# Altium PCB main_board.PcbDoc (part 1 of 2)
Units mil, origin at the board's own origin, x right, y up, seen from the top; angles counter-clockwise.
Board outline 8661.42 x 3543.31 mil, 2 copper layers (Top Layer, Bottom Layer); 75 components, 95 nets, 468 pads, 37 vias.
Unrouted connection lines stored in the file: 89.
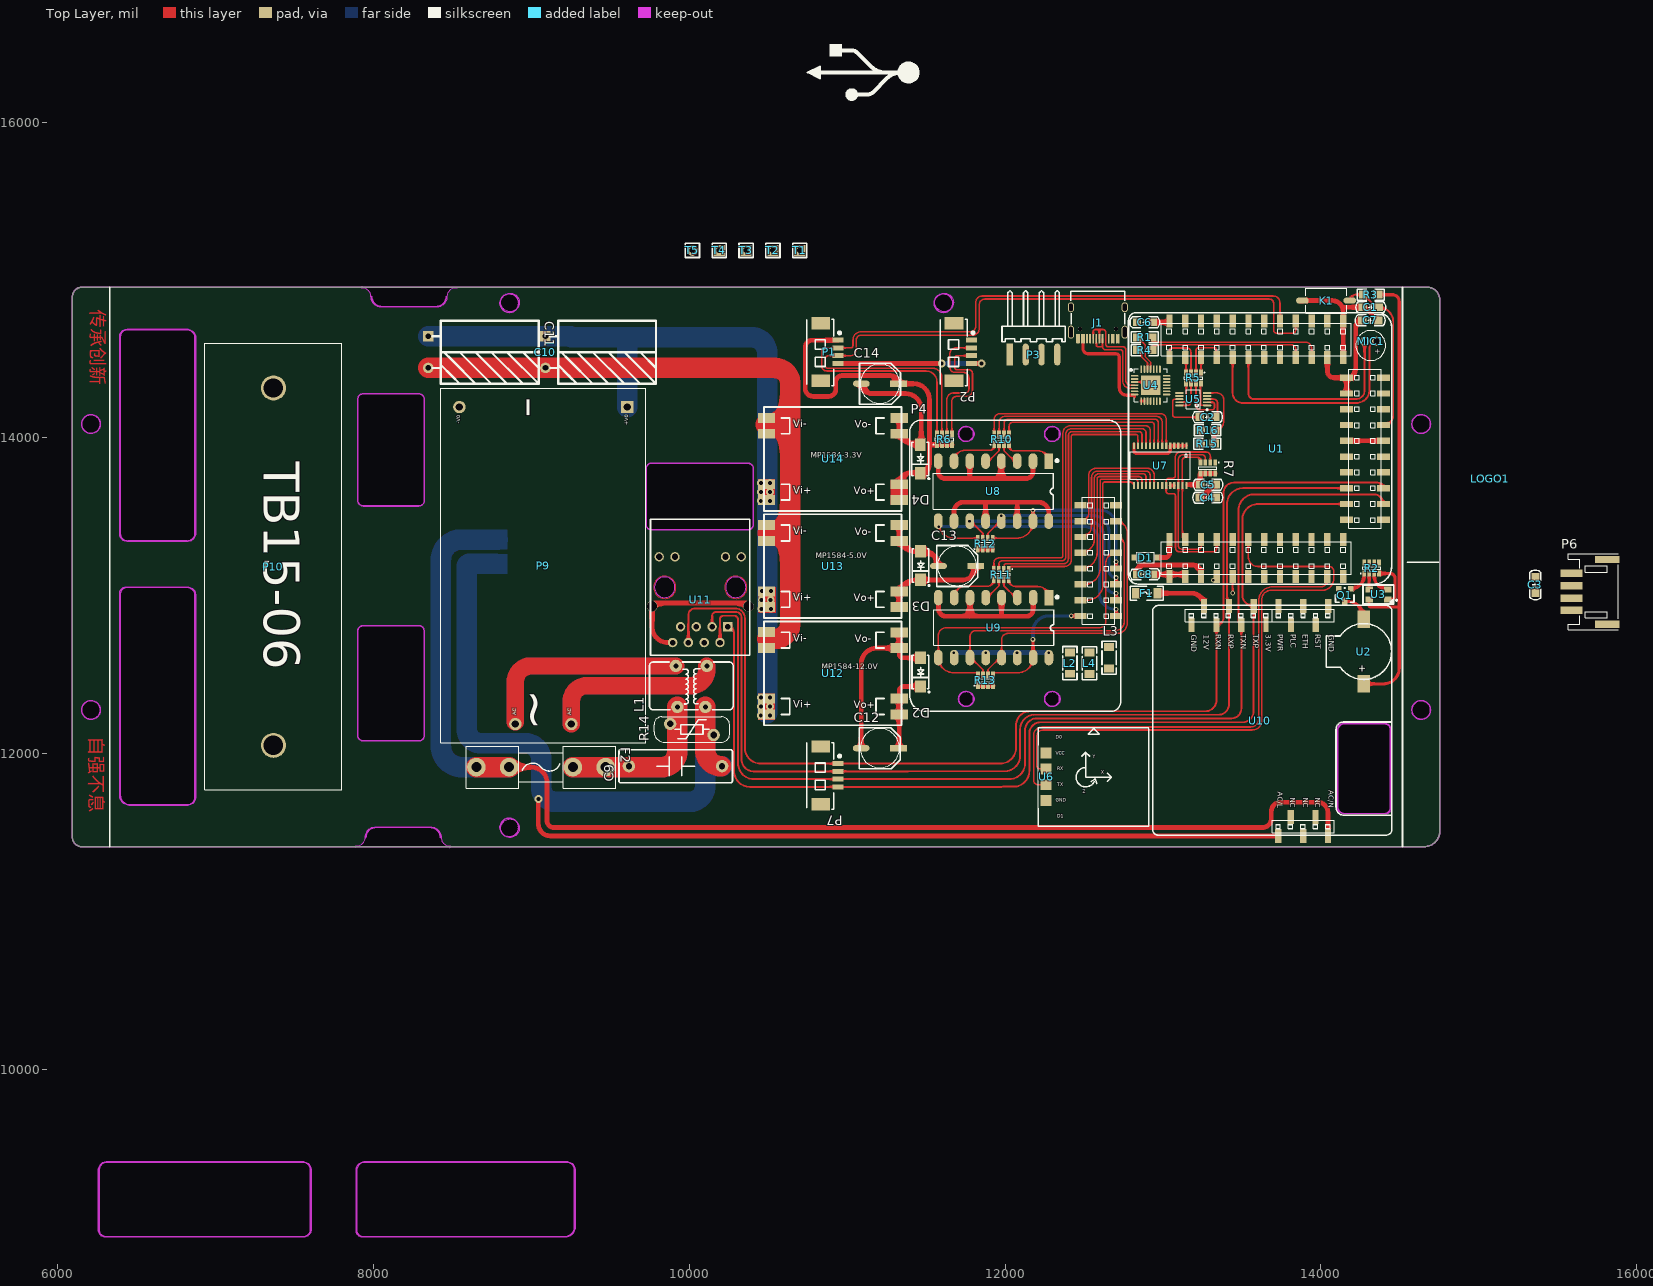
[diagram p0: Top Layer view]
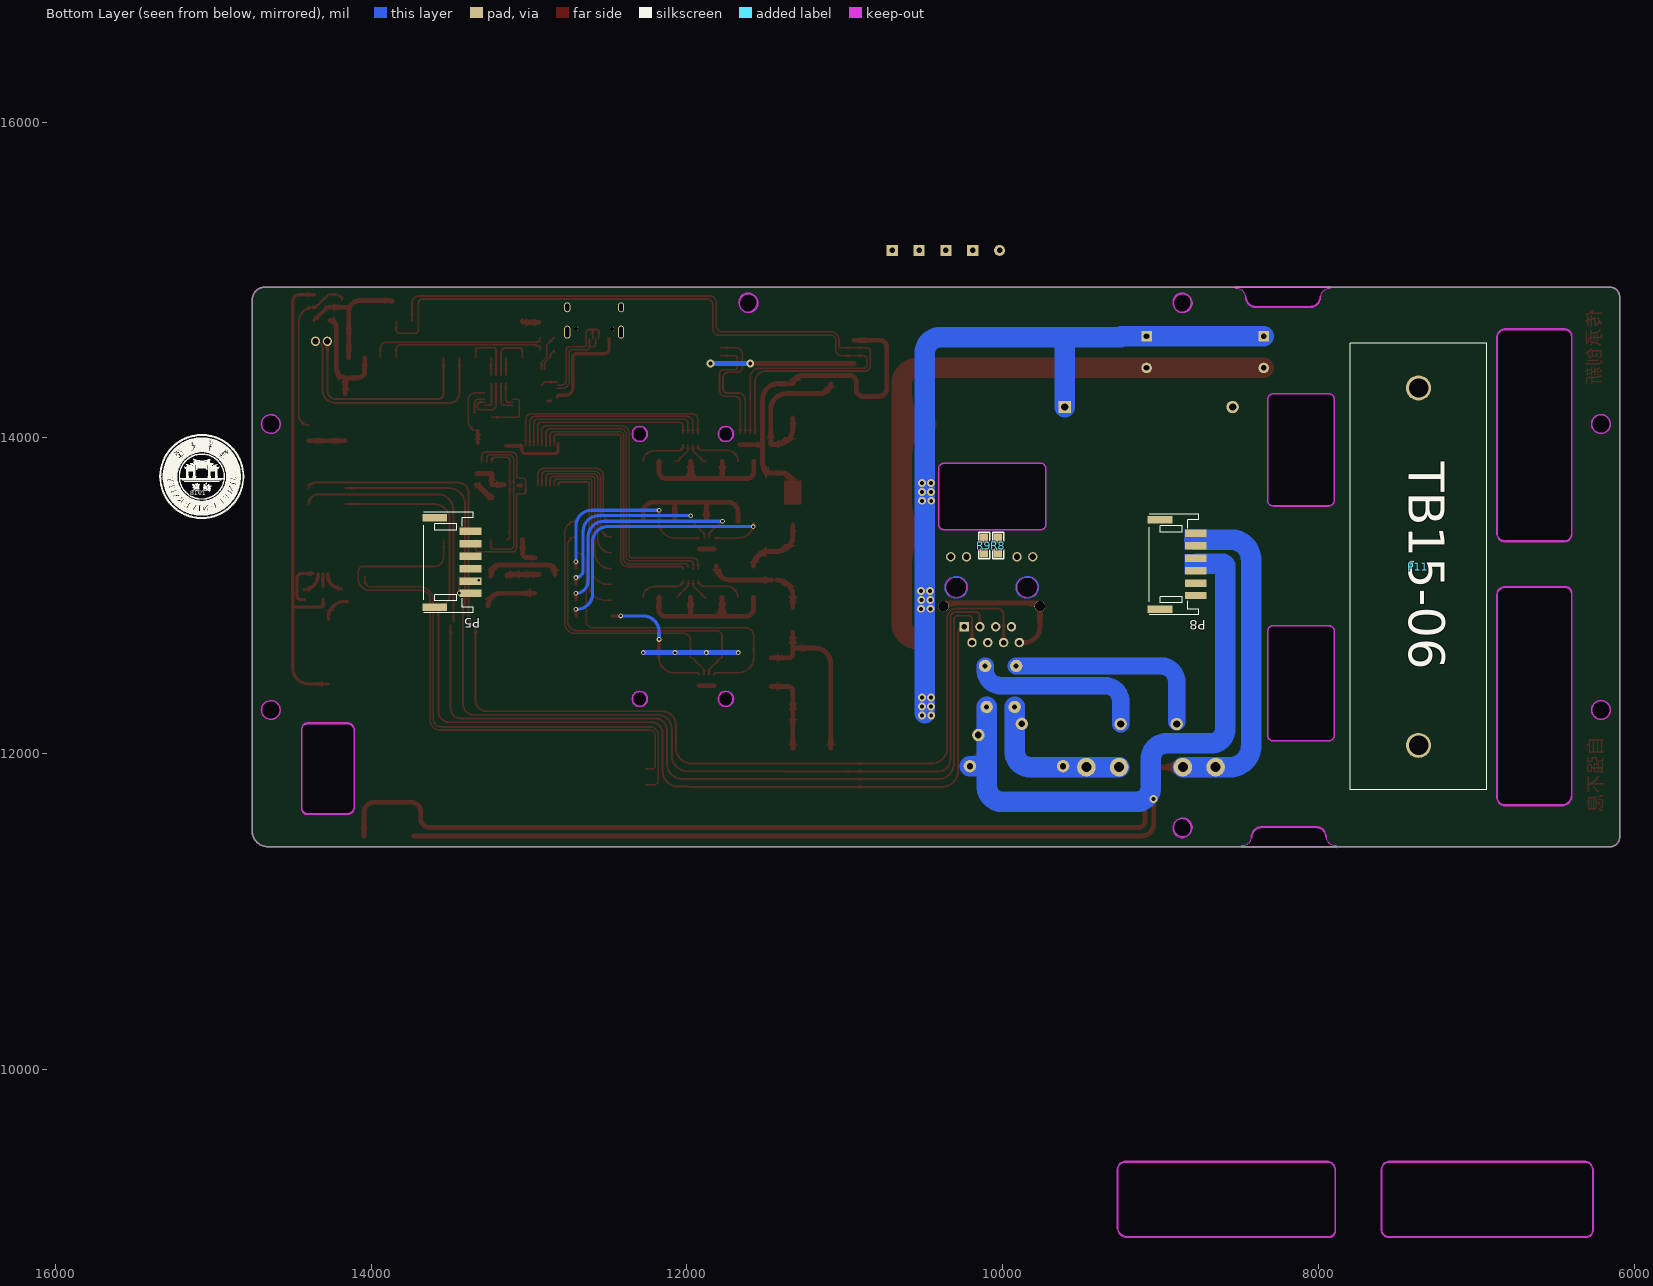
[diagram p1: Bottom Layer view, seen from below]

## Layer stack, top to bottom
Top Solder: solder mask 0.4, Solder Resist, Dk 3.5
Top Layer: signal copper 1.4
Dielectric 1: dielectric 12.6, FR-4, Dk 4.8
Bottom Layer: signal copper 1.4
Bottom Solder: solder mask 0.4, Solder Resist, Dk 3.5

## Board outline
6150.67,11411.02 cw(c6150.67,11470.08) 6091.61,11470.08 6091.61,14895.28 cw(c6150.67,14895.28) 6150.67,14954.33 14674.29,14954.33 cw(c14674.29,14875.59) 14753.03,14875.59 14753.03,11509.45 cw(c14654.61,11509.45) 14654.61,11411.02
cut-out: 7552.99,8935.91 6304.29,8935.91 cw(c6304.29,8983.88) 6256.32,8983.88 6256.32,9362.18 cw(c6312.51,9362.18) 6306.93,9418.1 cw(c6308.57,9413.36) 6308.57,9418.38 7549.13,9418.38 cw(c7549.13,9362.58) 7604.93,9362.58 7604.93,8987.84 cw(c7552.99,8987.84)
cut-out: 9209.8,8935.91 7933.28,8935.91 cw(c7933.28,8980.71) 7888.47,8980.71 7888.47,9366.12 cw(c7893.49,9366.12) 7888.75,9367.76 cw(c7944.67,9362.18) 7944.67,9418.38 9220.66,9418.38 cw(c9220.66,9362.58) 9276.46,9362.58 9276.46,9002.56 cw(c9209.8,9002.56)
cut-out: 11672.76,14858.72 cw(c11613.7,14858.72) 11613.7,14799.67 cw(c11613.7,14858.72) 11554.65,14858.72 cw(c11613.7,14858.72) 11613.7,14917.78 cw(c11613.7,14858.72)
cut-out: 8923.24,11527.72 cw(c8864.18,11527.72) 8864.18,11468.67 cw(c8864.18,11527.72) 8805.13,11527.72 cw(c8864.18,11527.72) 8864.18,11586.78 cw(c8864.18,11527.72)
cut-out: 8923.24,14858.72 cw(c8864.18,14858.72) 8864.18,14799.67 cw(c8864.18,14858.72) 8805.13,14858.72 cw(c8864.18,14858.72) 8864.18,14917.78 cw(c8864.18,14858.72)
cut-out: 6390.91,11737.2 6390.91,13013.72 cw(c6435.71,13013.72) 6435.71,13058.53 6821.12,13058.53 cw(c6821.12,13053.51) 6822.76,13058.25 cw(c6817.18,13002.33) 6873.38,13002.33 6873.38,11726.34 cw(c6817.58,11726.34) 6817.58,11670.54 6457.56,11670.54 cw(c6457.56,11737.2)
cut-out: 6390.91,13394.01 6390.91,14642.71 cw(c6438.88,14642.71) 6438.88,14690.68 6817.18,14690.68 cw(c6817.18,14634.49) 6873.1,14640.07 cw(c6868.36,14638.43) 6873.38,14638.43 6873.38,13397.87 cw(c6817.58,13397.87) 6817.58,13342.07 6442.84,13342.07 cw(c6442.84,13394.01)
cut-out: 14575.87,14088.19 ccw(c14634.92,14088.19) 14634.92,14029.13 ccw(c14634.92,14088.19) 14693.98,14088.19 ccw(c14634.92,14088.19) 14634.92,14147.24 ccw(c14634.92,14088.19)
cut-out: 14575.87,12277.17 ccw(c14634.92,12277.17) 14634.92,12218.11 ccw(c14634.92,12277.17) 14693.98,12277.17 ccw(c14634.92,12277.17) 14634.92,12336.22 ccw(c14634.92,12277.17)
cut-out: 6209.72,12218.11 cw(c6209.72,12277.17) 6150.67,12277.17 cw(c6209.72,12277.17) 6209.72,12336.22 cw(c6209.72,12277.17) 6268.78,12277.17 cw(c6209.72,12277.17)
cut-out: 6209.72,14029.13 cw(c6209.72,14088.19) 6150.67,14088.19 cw(c6209.72,14088.19) 6209.72,14147.24 cw(c6209.72,14088.19) 6268.78,14088.19 cw(c6209.72,14088.19)
cut-out: 7887.08,11405.68 cw(c7887.35,11410.69) 7887.61,11415.7 ccw(c7890.52,11471.36) 7946.17,11468.32 cw(c8016.07,11468.19) 8016.07,11538.09 8357.56,11538.09 cw(c8357.56,11468.19) 8427.46,11468.24 ccw(c8480.97,11469.56) 8482.2,11416.04 ccw(c8480.97,11469.56) 8482.23,11416.04 8482.2,11416.04 cw(c8482.35,11411.02) 8487.36,11411.02 cw(c8482.35,11411.02) 8485.88,11407.46 cw(c8482.35,11411.02) 8482.46,11406.01 cw(c8480.97,11469.56) 8480.26,11406 ccw(c8482.02,11410.69) 8485.56,11407.15
cut-out: 8523.11,14959.32 cw(c8522.85,14954.31) 8522.59,14949.3 ccw(c8519.68,14893.64) 8464.03,14896.68 cw(c8394.13,14896.81) 8394.13,14826.91 8052.64,14826.91 cw(c8052.64,14896.81) 7982.74,14896.76 ccw(c7929.22,14895.44) 7928,14948.96 ccw(c7929.22,14895.44) 7927.97,14948.96 7928,14948.96 cw(c7927.85,14953.98) 7922.84,14953.98 cw(c7927.85,14953.98) 7924.32,14957.54 cw(c7927.85,14953.98) 7927.73,14958.99 cw(c7929.22,14895.44) 7929.94,14959 ccw(c7928.18,14954.31) 7924.64,14957.85
cut-out: 7900.06,13603.49 7900.06,14246.28 cw(c7933.06,14246.28) 7933.06,14279.28 8285.07,14279.28 cw(c8285.07,14242.86) 8321.49,14242.86 8321.49,13606.09 cw(c8284.48,13606.09) 8284.48,13569.09 7934.47,13569.09 cw(c7934.47,13603.49)
cut-out: 8320.06,12777.52 8320.06,12114.13 cw(c8287.06,12114.13) 8287.06,12081.13 7935.05,12081.13 cw(c7935.05,12117.55) 7898.64,12117.55 7898.64,12774.32 cw(c7935.64,12774.32) 7935.64,12811.32 8285.66,12811.32 cw(c8285.66,12776.92)
cut-out: 9758.35,13418.94 cw(c9758.35,13451.94) 9725.35,13451.94 9725.35,13803.95 cw(c9761.77,13803.95) 9761.77,13840.36 10368.54,13840.36 cw(c10368.54,13803.36) 10405.54,13803.36 10405.54,13453.34 cw(c10371.14,13453.34) 10371.14,13418.94

## Design rules (kind name [scope] priority, off if disabled: settings)
Clearance Clearance_1 [All] p1: gap=7
ComponentClearance [All] p1: gap=0 collisioncheckmode=3 verticalgap=0 showdistances=FALSE
PolygonConnect [All] p1: connectstyle=Relief reliefconductorwidth=10 reliefentries=4 polygonreliefangle="90 Angle" airgapwidth=10
RoutingVias [All] p1: holewidth=28 width=50 viastyle="Through Hole" minholewidth=28 minwidth=50 maxholewidth=28 maxwidth=50
SolderMaskExpansion [All] p1: expansion=4
Width [All] p1: maxlimit=393.7 minlimit=5 preferedwidth=10
29 further rules are at their usual default settings.

## Classes and differential pairs
component class core: C6 C7 C8 D1 U1
component class power: C9 C10 C11 C12 C13 C14 D2 D3 D4 F2 F? L1 L2 L3 L4 P8 P9 P10 P11 R14 R15 R16 T1 T2 T3 T4 T5 U12 U13 U14
component class devices: C1 C2 C3 C4 C5 F1 J1 K1 MIC1 P1 P2 P3 P4 P5 P6 P7 Q1 R1 R2 R3 R4 R5 R6 R7 R8 R9 R10 R11 R12 R13 R? U2 U3 U4 U5 U6 U7 U8 U9 U10 U11
component class main: LOGO1

## Components (designator, comment, footprint, x,y, rotation, side; value= is the part's Value field where it differs from the comment)
C1 "104" 0805C 14267,14832 r0 top
C2 "104" 0805C 13233,14137 r0 top
C3 "104" 0805C 15363,13118 r270 top
C4 "104" 0805C 13332,13618 r180 top
C5 "104" 0805C 13334,13700 r180 top
C6 "104" 0805C 12836,14737 r0 top
C7 "104" 0805C 14361,14740 r180 top
C8 "104" 0805C 12837,13140 r0 top
C9 "0.33uF/275V" "CX 15*18*11" 9914,11923 r180 top
C10 "220uF/63V" "CAP 5.0*10*16-H - GD" 9441,14534 r270 top
C11 "220uF/63V" "CAP 5.0*10*16-H - GD" 8698,14534 r270 top
C12 "22uF/50V" "CM D(6.3*5.4)" 11207,12035 r0 top
C13 "22uF/50V" "CM D(6.3*5.4)" 11697,13189 r0 top
C14 "22uF/50V" "CM D(6.3*5.4)" 11208,14344 r0 top
D1 "L3N" SOD-123 12882,13248 r180 top
D2 "LG" SMA 11475,12535 r270 top
D3 "KE" SMA 11476,13210 r270 top
D4 "KC" SMA 11474,13886 r270 top
F1 "0.5A/12V" 1206F 12909,13009 r0 top
F2 "2A/250Vac" "FU 5x20" 9087,11902 r0 top
J1 "TypeC" "TYPE-C 16P" 12581,14762 r90 top
K1 "按键" 贴片按键 14177,14873 r180 top
L1 "10mH" T12x6x4 10014,12423 r90 top
L2 "磁珠" 1206L 12412,12508 r90 top
L3 "磁珠" 1206L 12660,12542 r90 top
L4 "磁珠" 1206L 12532,12639 r270 top
LOGO1 "" JMU_LOGO(1.35cm) 15074,13743 r0 top
MIC1 "MIC" MIC 14316,14578 r270 top
P1 "深度传感器" MX1.25WS-4PIN 10834,14729 r270 top
P2 "I2C-2" MX1.25WS-4PIN 11679,14729 r270 top
P3 "UART0" HDR2.54-WS-4P 12183,14685 r0 top
P4 "PWM接口" "接线板（ROV PWM）" 12047.24,13129.92 r0 top locked
P5 "Zoom Camera" PH2.0WS-6P 13503.94,13201.98 r270 bottom
P6 "Camera" PH2.0WS-4P 15736,13035 r90 top
P7 "网络接口" MX1.25WS-4PIN 10834,12047.24 r270 top
P8 "6PIN" PH2.0WS-6P 8909.53,13188.98 r270 bottom
P9 "Hi-Link隔离电源" HLK-20M24 8425,12070 r90 top locked
P10 "TB15-06" TB1506 7345,13181 r270 top
P11 "TB15-06" TB1506 7386,13181 r270 bottom
Q1 "S8050" SOT-23 14186,13039 r180 top
R1 "0Ω" 0805R 12833,14637 r0 top
R2 "1K" res-4 14319,13178 r90 top
R3 "4.7K" 0805R 14264,14907 r0 top
R4 "0Ω" 0805R 12833,14556 r0 top
R5 "51R" res-4 13195,14378 r270 top
R6 "1K" res-4 11613,13994 r90 top
R7 "1K" res-4 13286,13808 r270 top
R8 "1K" 0805R 10029,13370 r270 bottom
R9 "1K" 0805R 10117,13370 r270 bottom
R10 "1K" res-4 11975.01,13994 r90 top
R11 "1K" res-4 11978,13133 r270 top
R12 "1K" res-4 11872,13333 r90 top
R13 "1K" res-4 11873,12467 r90 top
R14 "10D561K" "VDR 10D-4.5" 10035,12173 r180 top
R15 "2M" 0805R 13228,13964 r0 top
R16 "200K" 0805R 13333,14048 r180 top
T1 "24V" "HEADER 1"#1 10704,15188 r0 top
T2 "12V" "HEADER 1"#1 10534,15188 r0 top
T3 "5V" "HEADER 1"#1 10364,15188 r0 top
T4 "3.3V" "HEADER 1"#1 10194,15188 r0 top
T5 "GND" "HEADER 1"#2 10024,15188 r0 top
U1 "NanoPi NEO Core" "NanoPi NEO Core(无引脚名)" 13666,13929 r270 top locked
U2 "Buzzer" MLT-9032 14287,12641 r90 top
U3 "RGB" RGB-3528 14306,13039 r0 top
U4 "CP2102" QFN-28 12846,14410 r0 top
U5 "ADS1118" VSSOP-10 13279,14206.68 r180 top
U6 "9轴加速度计模块" 9轴模块(简易版) 12497,11844 r0 top
U7 "PCA9685" TSSOP-28 13143,13956 r270 top locked
U8 "TLP521-4GB" SOP16-W2.54_M 11922,13668 r270 top
U9 "TLP521-4GB" SOP16-W2.54_M 11923,12804 r270 top
U10 "电力载波模块" 电力载波模块6410（贴片排母） 13660,12174 r270 top locked
U11 "RJ45" RJ45 9835,13055 r0 top locked
U12 "MP1584-12.0V" MP1584电源模块 10545,12670.37 r0 top locked
U13 "MP1584-5.0V" MP1584电源模块 10545,13349.18 r0 top locked
U14 "MP1584-3.3V" MP1584电源模块 10545,14028 r0 top locked

## Footprints (in the part's own frame and the unit in brackets; to place one, negate y for a bottom-side part, rotate by r counter-clockwise, add the part's x,y. Pads: shape width x height; smd on the part's side, far side on the other; paste and mask are expansions set on the pad)
9轴模块(简易版) [mil]
  rect 70x70 smd: 2(-238.19,159.91) 3(-238.19,59.91) 4(-238.19,-40.09) 5(-238.19,-140.09)
  silkscreen extent -288,-302 413,321, body extent -254,-303 378,322, height 87
0805C [mm]
  rect 1.35x1.25 smd: 1(-0.025,-0.112) 2(2.515,-0.112)
  silkscreen extent -1.15,-1 3.64,0.78, body extent -0.03,-0.75 2.48,0.5, height 0.79
0805R [mil]
  rect 60x50 smd: 1(6.34,0.5) 2(96.34,0.5)
  silkscreen extent -34,-34 136,36, body extent 2,-24 101,24, height 31
1206F [mil] "保险丝"
  rect 50x65 smd: 1(-79.5,8) 2(55.5,8)
  silkscreen extent -117,-37 93,53, body extent -75,-24 51,40, height 34
1206L [mil]
  rect 50x65 smd: 1(-1.59,1.89) 2(133.41,1.89)
  silkscreen extent -39,-43 171,47, body extent 3,-28 129,35, height 35
"CAP 5.0*10*16-H - GD" [mm] "脚距5mm直径10mm高度16mm"
  rect 1.7x1.7 hole 0.9: 1(-2.78,-8.961)
  round 1.7 hole 0.9: 2(2.3,-8.961)
  silkscreen extent -5.32,-8.2 4.84,8.82, body extent -5.28,-9.26 4.73,8.95, height 10.03
"CM D(6.3*5.4)" [mm] "贴片电解电容，直径6.3mm，高5.4mm"
  rect 2.7x1 smd: 1(2.975,0)
  oval 2.7x1 smd: 2(-3.025,0)
  silkscreen extent -3.33,-3.3 3.27,3.3, body extent -3.53,-3.3 3.47,3.3, height 5.4
"CX 15*18*11" [mm] "安规电容"
  round 2 hole 1: 1(-7.449,0.051) 2(7.551,0.051)
  silkscreen extent -9.12,-2.62 9.14,2.72, body extent -8.97,-2.46 9.03,2.54, height 11.01
"FU 5x20" [mm] "5*20保险管底座夹子"
  round 3 hole 1.6: 1(-11.086,0.33) 1(-5.816,0.33) 2(4.444,0.33) 2(9.714,0.33)
  silkscreen extent -12.69,-3.05 11.31,3.71, body extent -11.49,-2.82 10.11,3.48, height 9.77
HDR2.54-WS-4P [mm] "4P卧式贴片排针2.54"
  rect 1.02x3.5 smd: 1(-3.886,-3.976)
  oval 1.02x3.5 smd: 2(-1.346,-3.976) 3(1.194,-3.976) 4(3.734,-3.976)
  silkscreen extent -5.16,-1.94 5,6.31, body extent -5.16,-4.74 5,6.36, height 2.54
"HEADER 1"#1 [mil]
  rect 70x70 hole 35: 1(-5,0)
  silkscreen extent -50,-45 40,44
"HEADER 1"#2 [mil]
  round 70 hole 35: 1(-5,0)
  silkscreen extent -50,-45 40,44
HLK-20M24 [mm] "HILINK 24V隔离电源模块"
  round 2 hole 1.2: 1(3,-12) 2(3,-21) 4(54,-3)
  rect 2x2 hole 1.2: 3(54,-30)
  silkscreen extent 0,-33 57,0, body extent 0,-33 57,0, height 22.6
JMU_LOGO(1.35cm) [mil]
MIC [mm]
  round 1.5 hole 1.016: 1(-0.875,0.925) 2(-0.875,-1)
  silkscreen extent -2.6,-2.4 2.2,2.4, body extent -3.1,-2.97 2.9,3.02, height 2.21
MLT-9032 [mm]
  rect 2.8x2 smd: 1(-5.04,0.429) 2(5.36,0.429)
  silkscreen extent -4.34,-4.07 4.66,6.43, body extent -5.07,-4.07 5.43,6.43, height 3.2
MP1584电源模块 [mm]
  rect 2.8x1.6 smd: 1(-1.441,-0.032) 1(-1.441,2.519) 2(-1.441,-10.7) 2(-1.441,-8.16) 3(19.901,-10.7) 3(19.901,-8.16) 4(19.901,-0.032) 4(19.901,2.508)
  silkscreen extent -1.82,-12.45 20.28,4.26, body extent -1.97,-12.42 20.3,4.18, height 4.65
MX1.25WS-4PIN [mm]
  rect 2x3 smd: 0(0.042,-0.076) 0(9.306,-0.076)
  rect 0.8x1.778 smd: 1(2.785,2.734) 2(4.035,2.734) 3(5.285,2.734) 4(6.535,2.734)
  silkscreen extent -0.56,-2.3 10.12,3.17, body extent -0.47,-2.04 9.68,3.15, height 3.4
"NanoPi NEO Core(无引脚名)" [mm]
  rect 2.1x1.02 smd: 1(-20.612,-15.878) 2(-14.712,-15.878) 3(-20.612,-13.338) 4(-14.712,-13.338) 5(-20.612,-10.798) 6(-14.712,-10.798) 7(-20.612,-8.258) 8(-14.712,-8.258) 9(-20.612,-5.718) 10(-14.712,-5.718) 11(-20.612,-3.178) 12(-14.712,-3.178) 13(-20.612,-0.638) 14(-14.712,-0.638) 15(-20.612,1.902) 16(-14.712,1.902) 17(-20.612,4.442) 18(-14.712,4.442) 19(-20.612,6.982) 20(-14.712,6.982) 21(-20.612,9.522) 22(-14.712,9.522) 23(-20.612,12.062) 24(-14.712,12.062) 25(14.55,-15.883) 26(20.45,-15.883) 27(14.55,-13.343) 28(20.45,-13.343) 29(14.55,-10.803) 30(20.45,-10.803) 31(14.55,-8.263) 32(20.45,-8.263) 33(14.55,-5.723) 34(20.45,-5.723) 35(14.55,-3.183) 36(20.45,-3.183) 37(14.55,-0.643) 38(20.45,-0.643) 39(14.55,1.897) 40(20.45,1.897) 41(14.55,4.437) 42(20.45,4.437) 43(14.55,6.977) 44(20.45,6.977) 45(14.55,9.517) 46(20.45,9.517) 47(14.55,12.057) 48(20.45,12.057)
  rect 1.02x2.1 smd: 49(11.359,12.625) 50(11.359,18.525) 51(8.819,12.625) 52(8.819,18.525) 53(6.279,12.625) 54(6.279,18.525) 55(3.739,12.625) 56(3.739,18.525) 57(1.199,12.625) 58(1.199,18.525) 59(-1.341,12.625) 60(-1.341,18.525) 61(-3.881,12.625) 62(-3.881,18.525) 63(-6.421,12.625) 64(-6.421,18.525) 65(-8.961,12.625) 66(-8.961,18.525) 67(-11.501,12.625) 68(-11.501,18.525)
  silkscreen extent -21.98,-22.47 21.7,19.85, body extent -20.96,-17.21 20.6,18.67, height 5.15
PH2.0WS-4P [mm]
  rect 1.2x4 smd: 0(-5.445,-1.962) 0(4.955,-1.962)
  rect 1.2x3.5 smd: 1(-3.245,3.788) 2(-1.245,3.788) 3(0.755,3.788) 4(2.755,3.788)
  silkscreen extent -6.34,-3.73 5.85,4.27, body extent -6.24,-3.61 5.76,4.99, height 5.55
PH2.0WS-6P [mm]
  rect 1.2x4 smd: 0(-7.453,-2.365) 0(6.947,-2.365)
  rect 1.2x3.5 smd: 1(-5.253,3.385) 2(-3.253,3.385) 3(-1.253,3.385) 4(0.747,3.385) 5(2.747,3.385) 6(4.747,3.385)
  silkscreen extent -8.35,-4.14 7.84,3.86, body extent -8.25,-4.01 7.75,4.59, height 5.55
QFN-28 [mm] "CP2102  USB转串口芯片"
  rect 3.13x3.13 smd mask+0.051: 0(1.909,-1.918)
  oval 1.2x0.28 smd mask+0.051: 1(-0.668,-0.418) 2(-0.668,-0.918) 3(-0.668,-1.418) 4(-0.668,-1.918) 5(-0.668,-2.418) 6(-0.668,-2.918) 7(-0.668,-3.418) 15(4.486,-3.418) 16(4.486,-2.918) 17(4.486,-2.418) 18(4.486,-1.918) 19(4.486,-1.418) 20(4.486,-0.918) 21(4.486,-0.418)
  oval 0.28x1.2 smd mask+0.051: 8(0.409,-4.495) 9(0.909,-4.495) 10(1.409,-4.495) 11(1.909,-4.495) 12(2.409,-4.495) 13(2.909,-4.495) 14(3.409,-4.495) 22(3.409,0.66) 23(2.909,0.66) 24(2.409,0.66) 25(1.909,0.66) 26(1.409,0.66) 27(0.909,0.66) 28(0.409,0.66)
  silkscreen extent -1.39,-4.57 4.56,0.73, body extent -0.58,-4.42 4.42,0.58, height 1
res-4 [mil] "排阻"
  rect 40x23.62 smd: 1(-37,45) 2(-37,13.5) 3(-37,-17.99) 4(-37,-49.49) 5(33,-49.49) 6(33,-17.99) 7(33,13.5) 8(33,45)
  silkscreen extent -37,-60 7,68, body extent -33,-66 30,60, height 23
RGB-3528 [mm]
  rect 1.2x1 smd: 1(-0.029,0.03) 2(-0.029,-1.57) 3(2.971,0.03) 4(2.971,-1.57)
  silkscreen extent -1.01,-2.3 4.51,0.76, body extent -0.32,-2.2 3.18,0.6, height 1.9
RJ45 [mil]
  rect 60x60 hole 35: 1(408.65,-250.74)
  round 60 hole 35: 2(358.65,-350.74) 3(308.65,-250.74) 4(258.65,-350.74) 5(208.65,-250.74) 6(158.65,-350.74) 7(108.65,-250.74) 8(58.65,-350.74)
  round 59.06 hole 40.16: 9(493.29,192.17) 12(-26.39,192.17)
  round 59.05 hole 40.16: 10(393.45,192.17) 11(73.45,192.17)
  round 66.93 hole 64.96: 13(538.57,-120.74) 14(-71.67,-120.74)
  round 116.14 hole 127.95: MH3(8.42,-1.24) MH3(458.42,-1.24)
  Keep-Out Layer circle w2: c8.49,-0.74 r64.96
  Keep-Out Layer circle w2: c458.49,-0.74 r64.96
  Multi-Layer circle w5: c458.42,-1.24 r70.8
  Multi-Layer circle w5: c8.42,-1.24 r70.8
  silkscreen extent -82,-431 548,429, body extent -82,-417 543,425, height 551
SMA [mm] "二极管"
  rect 2x1.75 smd: 1(-1.829,-0.305) 2(2.771,-0.305)
  silkscreen extent -2.23,-1.65 3.78,1.19, body extent -2.06,-1.63 3.05,0.97, height 2.15
SOD-123 [mm]
  rect 0.8x1 smd: 1(-1.988,0.151) 2(1.67,0.151)
  silkscreen extent -1.56,-0.7 1.24,1, body extent -2.06,-0.74 1.79,0.96, height 1.43
SOP16-W2.54_M [mil]
  rect 98.43x55.12 smd: 1(-185,354)
  oval 98.43x55.12 smd: 2(-185,254) 3(-185,154) 4(-185,54) 5(-185,-46) 6(-185,-146) 7(-185,-246) 8(-185,-346) 9(195,-346) 10(195,-246) 11(195,-146) 12(195,-46) 13(195,54) 14(195,154) 15(195,254) 16(195,354)
  silkscreen extent -194,-377 118,412, body extent -192,-386 202,394, height 150
SOT-23 [mil]
  rect 36x36 smd: 1(-2.52,-5.16) 2(72.48,-5.16)
  rect 36x50 smd: 3(35.48,74.84)
  silkscreen extent -23,-10 92,80, body extent -22,-18 92,92, height 47
T12x6x4 [mm]
  round 2 hole 0.8: 1(-3.224,2.301) 2(3.376,2.551) 3(3.376,-2.449) 4(-3.224,-2.199)
  silkscreen extent -3.68,-6.68 4.01,6.78, body extent -3.53,-6.55 3.87,6.65, height 12
TB1506 [mm]
  round 4 hole 3.1: 0(-28.85,0.5) 0(28.65,0.5)
  silkscreen extent -36,-10.5 35.8,11.5, body extent -36.6,-10.5 36.4,11.5, height 17
TSSOP-28 [mm]
  rect 1.1x0.35 smd: 1(0.134,0.126) 2(0.134,-0.524) 3(0.134,-1.174) 4(0.134,-1.824) 5(0.134,-2.474) 6(0.134,-3.124) 7(0.134,-3.774) 8(0.134,-4.424) 9(0.134,-5.074) 10(0.134,-5.724) 11(0.134,-6.374) 12(0.134,-7.024) 13(0.134,-7.674) 14(0.134,-8.324) 15(6.534,-8.324) 16(6.534,-7.674) 17(6.534,-7.024) 18(6.534,-6.374) 19(6.534,-5.724) 20(6.534,-5.074) 21(6.534,-4.424) 22(6.534,-3.774) 23(6.534,-3.124) 24(6.534,-2.474) 25(6.534,-1.824) 26(6.534,-1.174) 27(6.534,-0.524) 28(6.534,0.126)
  silkscreen extent 1.13,-8.95 5.53,0.75, body extent 0.15,-8.95 6.55,0.75, height 0.92
"TYPE-C 16P" [mm] "贴片USB-3.1  4固定插脚"
  round 0.65 hole 0.65: 0(-1.834,2.735) 0(-1.834,-3.045)
  oval 1.6x1 hole 0.6 slot 1.2 at 0 deg: 1(1.666,4.17) 2(1.666,-4.48)
  oval 2.1x1 hole 0.6 slot 1.7 at 0 deg: 3(-2.334,-4.48) 4(-2.334,4.17)
  rrect50% 1.5x0.3 smd: A1(-3.374,-3.505) A4(-3.374,-2.705) A6(-3.374,-0.405) A7(-3.374,0.095) A8(-3.374,1.095) A9(-3.374,2.395) A12(-3.374,3.195) B1(-3.374,2.895) B4(-3.374,2.095) B5(-3.374,1.595) B6(-3.374,0.595) B7(-3.374,-0.905) B8(-3.374,-1.905) B9(-3.374,-2.405) B12(-3.374,-3.205)
  rrect50% 0x0 smd: A5(-3.374,-1.405)
  silkscreen extent -1.07,-4.48 4.27,4.17, body extent -3.45,-4.65 4.45,4.29, height 3.25
"VDR 10D-4.5" [mm] "压敏电阻10mm*4.5mm(直径*厚度）"
  round 2 hole 1.1: 1(-3.017,1.383) 2(3.983,-0.417)
  silkscreen extent -5.61,-1.55 6.58,2.53, body extent -5.52,-1.52 6.48,2.48, height 13.5
VSSOP-10 [mm]
  oval 1.35x0.3 smd: 1(0,0.008) 2(0,-0.492) 3(0,-0.992) 4(0,-1.492) 5(0,-1.992) 6(4.45,-1.992) 7(4.45,-1.492) 8(4.45,-0.992) 9(4.45,-0.492) 10(4.45,0.008)
  silkscreen extent -0.13,-2.54 3.37,0.83, body extent -0.24,-2.48 4.69,0.53, height 1.1
"接线板（ROV PWM）" [mm]
  rect 1.9x1.02 smd: 1(16.643,-6.533) 2(10.943,-6.533) 3(16.643,-3.993) 4(10.943,-3.993) 5(16.643,-1.453) 6(10.943,-1.453) 7(16.643,1.087) 8(10.943,1.087) 9(16.643,3.627) 10(10.943,3.627) 11(16.643,6.167) 12(10.943,6.167) 13(16.643,8.707) 14(10.943,8.707) 15(16.643,11.247) 16(10.943,11.247)
  Keep-Out Layer circle w0.254: c-7.506,-19.883 r1.2
  Keep-Out Layer circle w0.254: c6.344,-19.883 r1.2
  Keep-Out Layer circle w0.254: c6.344,22.739 r1.2
  Keep-Out Layer circle w0.254: c-7.506,22.739 r1.2
  Keep-Out Layer board cut-out: -7.379,-21.083 -7.838,-20.991 -8.227,-20.731 -8.487,-20.342 -8.579,-19.883 -8.579,-19.883 -8.487,-19.423 -8.227,-19.034 -7.838,-18.774 -7.379,-18.683 -7.379,-18.683 -6.919,-18.774 -6.53,-19.034 -6.27,-19.423 -6.179,-19.883 -6.179,-19.883 -6.27,-20.342 -6.53,-20.731 -6.919,-20.991 -7.379,-21.083
  Keep-Out Layer board cut-out: 6.471,-21.083 6.012,-20.991 5.623,-20.731 5.363,-20.342 5.271,-19.883 5.271,-19.883 5.363,-19.423 5.623,-19.034 6.012,-18.774 6.471,-18.683 6.471,-18.683 6.931,-18.774 7.32,-19.034 7.58,-19.423 7.671,-19.883 7.671,-19.883 7.58,-20.342 7.32,-20.731 6.931,-20.991 6.471,-21.083
  Keep-Out Layer board cut-out: 6.471,21.539 6.012,21.631 5.623,21.891 5.363,22.28 5.271,22.739 5.271,22.739 5.363,23.198 5.623,23.588 6.012,23.848 6.471,23.939 6.471,23.939 6.931,23.848 7.32,23.588 7.58,23.198 7.671,22.739 7.671,22.739 7.58,22.28 7.32,21.891 6.931,21.631 6.471,21.539
  Keep-Out Layer board cut-out: -7.379,21.539 -7.838,21.631 -8.227,21.891 -8.487,22.28 -8.579,22.739 -8.579,22.739 -8.487,23.198 -8.227,23.588 -7.838,23.848 -7.379,23.939 -7.379,23.939 -6.919,23.848 -6.53,23.588 -6.27,23.198 -6.179,22.739 -6.179,22.739 -6.27,22.28 -6.53,21.891 -6.919,21.631 -7.379,21.539
  silkscreen extent -16.55,-21.88 17.38,24.96, body extent -16.55,-22.26 17.37,25.21, height 15.58
电力载波模块6410（贴片排母） [mil]
  rect 90.16x40.16 smd mask+0: 0(575,148.26) 1(-762,385.74) 2(-642,307) 3(-762,228.26) 4(-641,150) 5(-761,71.26) 7(-761,-86.22) 8(-642,-164) 9(-762,-242.74) 10(-642,-321.48) 11(-762,-400.22) 12(-642,-479.48) 13(695,69.52) 14(695,227) 15(575,305.74) 16(695,384.48)
  rect 90.16x30 smd mask+0: 6(-641,-7.48)
  Keep-Out Layer board cut-out: -20.6,484.79 -20.68,485.31 -20.71,485.83 -20.71,485.83 -20.71,742.94 -20.7,743.15 -20.69,743.37 -20.69,743.37 -14.73,763.6 0.4,778.29 20.8,783.64 20.8,783.64 519.25,783.64 519.25,783.65 538.73,778.42 553,764.16 558.22,744.68 558.22,744.68 558.22,486.18 558.19,485.63 558.1,485.08 558.1,485.08 550.82,463.27 533.99,447.61 511.71,441.93 511.71,441.93 21.71,441.93 20.83,442.01 19.97,442.24 19.97,442.24 19.97,442.24 0.16,449.41 -14.38,464.66 -20.6,484.79
  Keep-Out Layer lines w10: 25.31,446.94 cw(c25.31,487.94) -15.69,487.94 ; 21.71,446.94 511.71,446.94 ccw(c511.71,488.44) 553.2,488.44 ; -15.69,485.83 -15.69,742.94 ; 553.2,486.18 553.2,744.68 ccw(c519.25,744.68) 519.25,778.63 20.8,778.63 ccw(c20.8,742.14) -15.69,742.14
  silkscreen extent -766,-726 691,790, body extent -740,-518 674,427, height 217
贴片按键 [mil]
  oval 80x40 smd: 1(-5.71,2.8) 2(294.29,2.8)
  silkscreen extent 14,-76 274,82, body extent 24,-69 264,77, height 98

## Part data
C1 C2 C3 C4 C5 C6 C7 C8: library part Cap1, "无极贴片电容"
C9: library part Cap2, "安规电容"
C10 C11 C12 C13 C14: library part Cap3, "直插极性电容"
D1: library part Diode, "二极管30V/2A"
D2 D3 D4: library part Diode, "二极管"
F1 F2: library part Fuse, "保险丝"
K1: library part 贴片按键, "轻触开关"
L1: library part 共模电感
L2 L3 L4: library part L, "电感"
LOGO1: library part JMU_LOGO, "LOGO"
P1 P2 P6 P7: library part 接线端子-4PIN, "4PIN"
P3: library part "Header 4", "排针"
P4: library part "Header 2X8"
P5: library part 接线端子-6PIN, "6PIN"
P8: library part 接线端子-6PIN
P9: library part HILINK-24V
Q1: library part NPN, "NPN三极管"
R1 R3 R4 R8 R9: library part Res, "电阻"
R2 R5 R6 R7 R10 R11 R12 R13: library part Res-4, "排阻"
R14: library part 压敏电阻
R15 R16: library part R1
T1 T2 T3 T4 T5: library part 测试点, "测试点"
U2: "蜂鸣器"
U4: "USB转串口芯片"
U6: library part 9轴加速度计
U10: library part 电力载波模块6410
U12 U13 U14: library part MP1584电源模块

## Via types
v1: diameter 50, hole 25, Top Layer to Bottom Layer, 21 vias
v2: diameter 30, hole 16, Top Layer to Bottom Layer, 16 vias

## Nets (pads, with @x,y where several pads share a name; then routed paths per layer and width w, separated by ;. In a path a pad name is that pad's centre, name@x,y a point inside that pad or via, vN(x,y) a via of type N, cw(c..) or ccw(c..) an arc to the next point about the centre after c; other vN are vias at no path point)
+DC310V: F2.1 P8.1 P8.2 U10.16 | length 8133.5
  Top Layer w30: F2.1@8858.03,11915 8998,11915 cw(c8998,11815) 9098,11815 9098,11576 ccw(c9142,11576) 9142,11532 13628,11532 ccw(c13628,11590) 13686,11590 13686,11635.76 cw(c13742.24,11635.76) 13742.24,11692 13981,11692 cw(c13981,11628.52) 14044.48,11628.52 U10.16@14044.48,11479
  Top Layer w130: F2.1@8650.55,11915 F2.1@8858.03,11915
  Bottom Layer w130: 8787,13356 8554.18,13356 ccw(c8554.18,13227.82) 8426,13227.82 8426,12048.55 ccw(c8559.55,12048.55) 8559.55,11915 F2.1@8650.55,11915 F2.1@8858.03,11915
ADCIN0: U5.4
ADCIN1: R15.2 R16.1 U5.5 | length 441.9
  Top Layer w10: U5.5@13279,14285.11 13339.89,14285.11 cw(c13339.89,14240) 13385,14240 13385,14105.84 cw(c13326.66,14105.84) R16.1@13326.66,14047.5
  Top Layer w20: R15.2@13324.34,13964.5 13324.34,14045.19 cw(c13326.66,14045.19) R16.1@13326.66,14047.5
BEEP(C0): R2.8 U1.43
CP_USB_D+: J1.A6 J1.B6 U4.4 | length 688.9
  Top Layer w10: J1.B6@12557.57,14629.16 12558,14629.16 12558,14674 cw(c12571,14674) 12571,14687 12596.94,14687 ; J1.A6@12596.94,14629.16 12596.94,14687 ; U4.4@12819.68,14334.5 12795.5,14334.5 cw(c12795.5,14366) 12764,14366 12764,14560 ccw(c12747,14560) 12747,14577 12654,14577 cw(c12654,14594) 12637,14594 12637,14669 ccw(c12619,14669) 12619,14687 12596.94,14687
CP_USB_D-: J1.A7 J1.B7 U4.5 | length 569.6
  Top Layer w10: J1.A7@12577.25,14629.16 12577.25,14586.75 ccw(c12585,14586.75) 12585,14579 12616.62,14579 ; J1.B7@12616.62,14629.16 12616.62,14579 ; U4.5@12819.68,14314.82 12790.18,14314.82 cw(c12790.18,14360) 12745,14360 12745,14545 ccw(c12732,14545) 12732,14558 12637.62,14558 cw(c12637.62,14579) 12616.62,14579
DGND: C1.1 C2.2 C3.2 C4.2 C5.1 C6.1 C7.1 C8.1 J1.1 J1.2 J1.3 J1.4 J1.A1 J1.A12 J1.B1 J1.B12 K1.2 L2.1 L4.1 P1.4 P2.4 P3.4 P4.16 P5.4 P6.4 Q1.2 U1.23 U1.24 U1.30 U1.33 U1.59 U1.60 U4.0 U4.3 U5.3 U6.5 U7.1 U7.2 U7.3 U7.4 U7.5 U7.14 U7.24 U7.25 U8.2 U8.4 U8.6 U8.8 U9.2 U9.4 U9.6 U9.8 U10.1 U10.12 U11.8 U11.13 U11.14 | length 6404
  Top Layer w10: U4.3@12819.68,14354.19 12901.47,14354.19 U4.0@12921.16,14334.5 ; U5.3@13279,14245.74 13320.99,14245.74 cw(c13320.99,14221.73) 13345,14221.73 13345,14157.8
  Top Layer w20: U7.14@12815,13965 12815,13922.49 ccw(c12836.49,13922.49) 12836.49,13901 13022.73,13901 ccw(c13022.73,13923.88) 13045.6,13923.88 U7.5@13045.6,13950.72 U7.4@13071.19,13950.72 U7.3@13096.78,13950.72 U7.2@13122.37,13950.72 U7.1@13147.96,13950.72 ; U7.24@13045.6,13698.76 U7.25@13071.19,13698.76 ; C1.1@14266.02,14827.58 14278.83,14827.58 C7.1@14361.98,14744.42
  Top Layer w30: U11.8@9893.65,12704.26 9863.33,12704.26 cw(c9863.33,12804.26) 9763.33,12804.26 U11.14@9763.33,12934.26 cw(c9784.07,12934.26) 9784.07,12955 10352.83,12955 cw(c10352.83,12934.26) U11.13@10373.57,12934.26 ; P1.4@10941.65,14471.72 v1(11598.28,14471.72) ; U8.8@11576,13853 11576,13786.14 ccw(c11619.14,13786.14) 11619.14,13743 11779,13743 ; U9.8@11577,12989 11577,12920 ccw(c11627,12920) 11627,12870 11777,12870 ; U8.6@11776,13853 11776,13746 ccw(c11779,13746) 11779,13743 ; U9.6@11777,12989 11777,12870 ; P2.4@11786.65,14471.72 v1(11849.72,14471.72) ; U8.4@11976,13853 ccw(c11976,13851) 11974,13851 11974,13743 ; U9.4@11977,12989 11977,12871 ccw(c11978,12871) 11978,12870 ; U8.2@12176,13853 12176,13786.96 cw(c12132.04,13786.96) 12132.04,13743 11974,13743 ; U9.2@12177,12989 12177,12912.66 cw(c12134.34,12912.66) 12134.34,12870 11978,12870 ; C8.1@12836.02,13135.58 12836.02,13157.06 cw(c12873.96,13157.06) 12873.96,13195 13192.37,13195 cw(c13192.37,13146.69) 13240.69,13146.69 U1.30@13240.69,13123.88 ; C4.2@13232.98,13622.42 13245.42,13622.42 13327.42,13704.42 C5.1@13334.98,13704.42 ; K1.2@13867.71,14867.2 K1.2@13882.71,14867.2 ; K1.2@13882.71,14870.2 14071.8,14870.2 cw(c14071.8,14801.13) 14135.55,14827.73 14135.55,14827.58 14135.61,14827.58 ; U1.24@14140.87,14508.21 U1.23@14140.87,14740.5 14140.87,14801.13 ccw(c14071.8,14801.13) 14135.61,14827.58 ; U1.59@14163.05,13981.8 U1.60@14395.33,13981.8 ; C1.1@14266.02,14827.58 14135.61,14827.58 ; 11777,12870 11978,12870 ; 11779,13743 11974,13743
  Bottom Layer w30: v1(11598.28,14471.72) v1(11849.72,14471.72)
EPHY_LINK_LED: U1.49 U11.10
EPHY_SPD_LED: U1.50 U11.11
GND: L2.2 L3.2 P8.5 P8.6 R12.1 R12.2 R12.3 R12.4 R13.1 R13.2 R13.3 R13.4 | length 189
  Top Layer w30: R12.1@11827,13296 R12.2@11858.5,13296 R12.3@11889.99,13296 R12.4@11921.49,13296 ; R13.1@11828,12430 R13.2@11859.5,12430 R13.3@11890.99,12430 R13.4@11922.49,12430
GND_IN: C9.1 L1.4 P8.3 P8.4 R14.1 U10.13 | length 9058.9
  Top Layer w30: v1(9043,11713) 9043,11555.98 ccw(c9119.98,11555.98) 9119.98,11479 U10.13@13729.52,11479
  Top Layer w130: L1.4@10100.58,12296.08 10100.58,12021 ccw(c10200.58,12021) C9.1@10200.58,11921
  Bottom Layer w130: 8774,13204 8610,13204 ccw(c8610,13184) 8590,13184 8590,12154 ccw(c8678,12154) 8678,12066 8961,12066 cw(c8961,11966) 9061,11966 9061,11788 ccw(c9154,11788) 9154,11695 10000.58,11695 ccw(c10000.58,11795) 10100.58,11795 10100.58,11921 ; L1.4@10100.58,12296.08 10100.58,11921 ; C9.1@10207.28,11921 10100.58,11921
I2C0_OE: R7.2 U1.31 U7.23 | length 1303
  Top Layer w10: R7.2@13299.5,13845 13299.5,13884.5 ccw(c13273,13884.5) 13273,13911 13111,13911 ccw(c13111,13878) 13078,13878 13078,13761 cw(c13063,13761) 13063,13746 13038.47,13746 ccw(c13038.47,13727.54) 13020.01,13727.54 U7.23@13020.01,13698.76 13020.01,13662.46 ccw(c13035.47,13662.46) 13035.47,13647 13064,13647 cw(c13064,13632) 13079,13632 13079,13305 ccw(c13106,13305) 13106,13278 13318,13278 ccw(c13318,13299) 13339,13299 13339,13354.48 cw(c13340.69,13354.48) U1.31@13340.69,13356.17
I2C0_SCL: R7.3 U1.29 U7.26 | length 984.6
  Top Layer w10: U1.29@13240.69,13356.17 13240.69,13309.69 cw(c13227,13309.69) 13227,13296 13118,13296 cw(c13118,13317.22) 13096.78,13317.22 U7.26@13096.78,13698.76 13096.78,13862.96 cw(c13127.82,13862.96) 13127.82,13894 13246.05,13894 cw(c13246.05,13872.04) 13268.01,13872.04 R7.3@13268.01,13845
I2C0_SDA: R7.4 U1.27 U7.27 | length 662.3
  Top Layer w10: U1.27@13140.69,13356.17 cw(c13140.69,13374.48) 13122.37,13374.48 U7.27@13122.37,13698.76 13122.37,13858.37 cw(c13141,13858.37) 13141,13877 13220,13877 cw(c13220,13860.49) 13236.51,13860.49 R7.4@13236.51,13845
I2C1_SCL: P1.2 R6.8 U1.15 | length 4531.3
  Top Layer w10: R6.8@11568,14027 11568,14354.55 ccw(c11498.55,14354.55) 11498.55,14424 10870,14424 cw(c10870,14456) 10838,14456 10838,14549.85 cw(c10858.3,14549.85) 10858.3,14570.15 P1.2@10941.65,14570.15 11021,14570.15 ccw(c11021,14585.15) 11036,14585.15 11036,14622 cw(c11086,14622) 11086,14672 11775.3,14672 ccw(c11775.3,14710.7) 11814,14710.7 11814,14859.73 cw(c11853.27,14859.73) 11853.27,14899 13697.87,14899 cw(c13697.87,14856) 13740.87,14856 U1.15@13740.87,14740.5
I2C1_SDA: P1.3 R6.7 U1.17 | length 4717.8
  Top Layer w10: P1.3@10941.65,14520.94 10880.06,14520.94 ccw(c10880.06,14500.88) 10860,14500.88 10860,14459 ccw(c10877,14459) 10877,14442 11538,14442 cw(c11538,14380.5) 11599.5,14380.5 R6.7@11599.5,14027 ; P1.3@10957,14520.94 11019.59,14520.94 ccw(c11019.59,14558.35) 11057,14558.35 11057,14622 cw(c11085,14622) 11075.84,14648.46 cw(c11085,14622) 11085,14650 11792.27,14650 ccw(c11792.27,14693.73) 11836,14693.73 11836,14844.3 cw(c11871.7,14844.3) 11871.7,14880 13673.83,14880 cw(c13673.83,14853.83) 13700,14853.83 13700,14684.49 ccw(c13721.49,14684.49) 13721.49,14663 13818,14663 ccw(c13818,14685.87) 13840.87,14685.87 U1.17@13840.87,14740.5